# Altium PCB PCB_Template.PcbDoc (part 4 of 6) (continued)
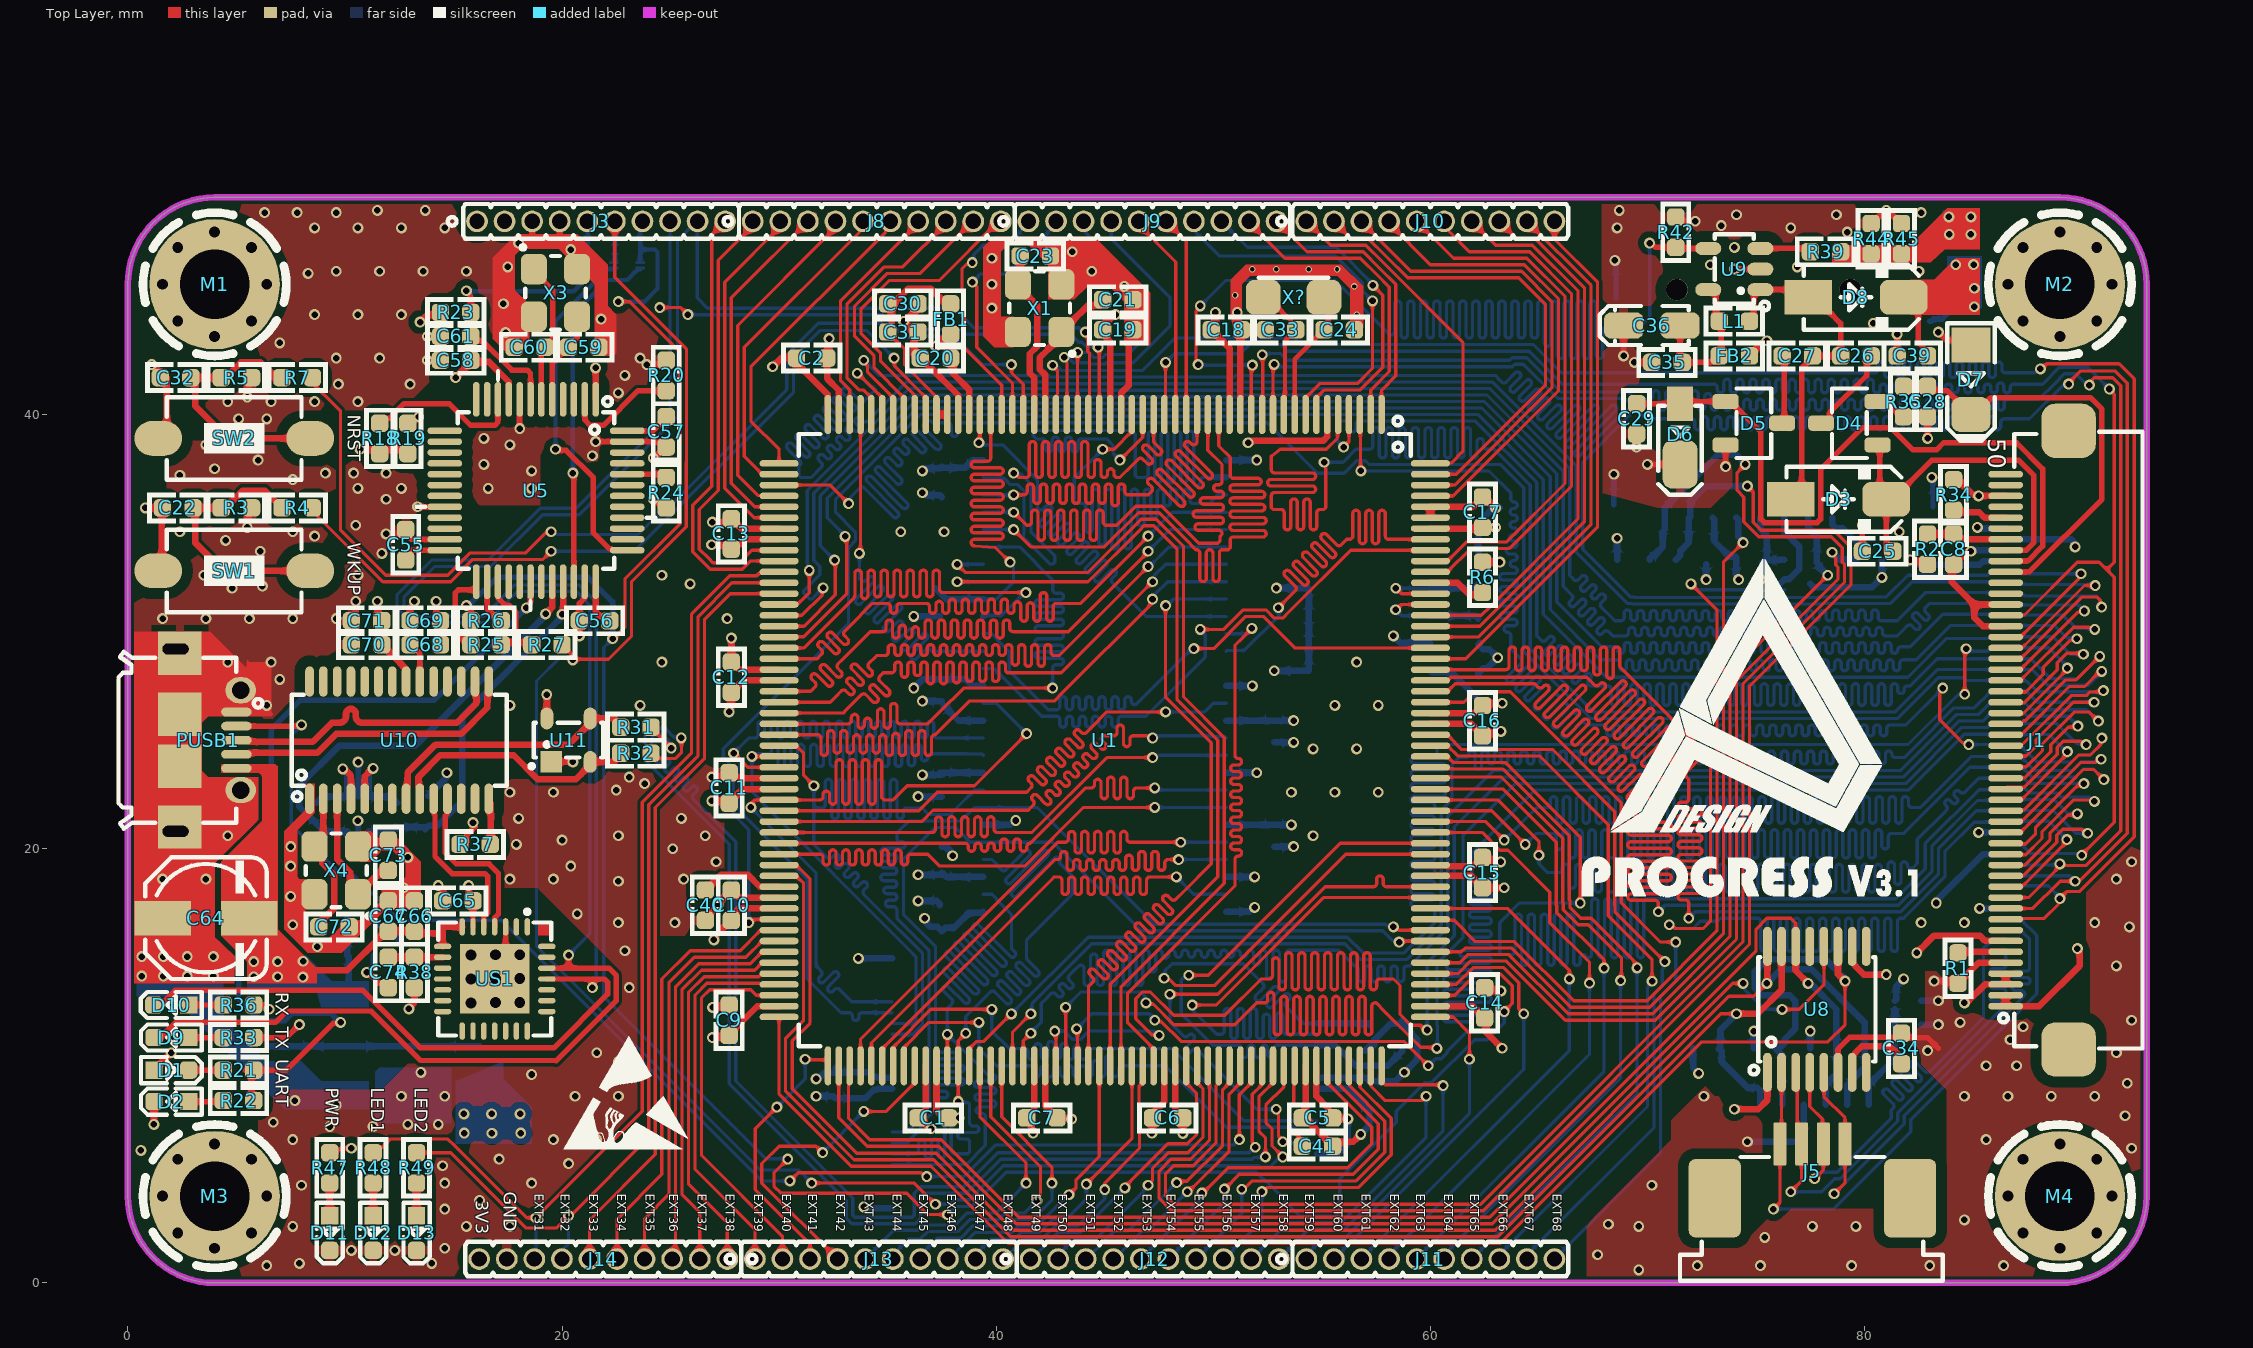
[diagram p0: Top Layer view]
## Nets (pads, with @x,y where several pads share a name; then routed paths per layer and width w, separated by ;. In a path a pad name is that pad's centre, name@x,y a point inside that pad or via, vN(x,y) a via of type N, cw(c..) or ccw(c..) an arc to the next point about the centre after c; other vN are vias at no path point) (continued)
  Top Layer w0.15: v1(33.6,41.9) 33.63,41.9 34.254,41.276 34.75,40.78 U1.47@34.75,40 ; J1.34@87.205,29.2 90.131,32.125 90.616,32.125 v1(90.623,32.118)
  Bottom Layer w0.15: v1(33.6,41.9) 34.222,41.278 34.322,41.278 34.45,41.15 34.205,40.905 33.923,40.623 cw(c33.817,40.729) 33.711,40.623 33.142,41.191 ccw(c33.036,41.085) 32.93,41.191 ccw(c33.036,41.085) 32.93,40.979 33.499,40.411 cw(c33.393,40.305) 33.499,40.199 cw(c33.393,40.305) 33.286,40.199 32.718,40.767 ccw(c32.612,40.661) 32.506,40.767 ccw(c32.612,40.661) 32.506,40.555 33.074,39.986 cw(c32.968,39.88) 33.074,39.774 cw(c32.968,39.88) 32.862,39.774 32.294,40.343 ccw(c32.188,40.237) 32.082,40.343 ccw(c32.188,40.237) 32.082,40.131 32.65,39.562 cw(c32.544,39.456) 32.65,39.35 cw(c32.544,39.456) 32.438,39.35 31.87,39.919 ccw(c31.763,39.812) 31.657,39.919 ccw(c31.763,39.812) 31.657,39.706 32.226,39.138 cw(c32.12,39.032) 32.226,38.926 cw(c32.12,39.032) 32.014,38.926 31.445,39.494 ccw(c31.339,39.388) 31.233,39.494 ccw(c31.339,39.388) 31.233,39.282 31.802,38.714 cw(c31.695,38.608) 31.802,38.502 cw(c31.695,38.608) 31.589,38.502 31.021,39.07 ccw(c30.915,38.964) 30.809,39.07 ccw(c30.915,38.964) 30.809,38.858 31.377,38.289 cw(c31.271,38.183) 31.377,38.077 cw(c31.271,38.183) 31.165,38.077 30.597,38.646 ccw(c30.491,38.54) 30.385,38.646 ccw(c30.491,38.54) 30.385,38.434 30.953,37.865 cw(c30.847,37.759) 30.953,37.653 30.9,37.6 30.9,37.188 30.988,37.1 31.476,37.1 31.95,37.575 ccw(c31.844,37.681) 31.95,37.787 31.835,37.902 cw(c31.941,38.008) 31.835,38.114 cw(c31.941,38.008) 32.047,38.114 32.163,37.999 ccw(c32.269,38.105) 32.375,37.999 ccw(c32.269,38.105) 32.375,38.211 32.259,38.326 cw(c32.365,38.432) 32.259,38.538 cw(c32.365,38.432) 32.471,38.538 32.587,38.423 ccw(c32.693,38.529) 32.799,38.423 ccw(c32.693,38.529) 32.799,38.635 32.684,38.751 cw(c32.79,38.857) 32.684,38.963 cw(c32.79,38.857) 32.896,38.963 33.011,38.847 ccw(c33.117,38.953) 33.223,38.847 ccw(c33.117,38.953) 33.223,39.06 33.108,39.175 cw(c33.214,39.281) 33.108,39.387 cw(c33.214,39.281) 33.32,39.387 33.435,39.272 ccw(c33.541,39.378) 33.647,39.272 ccw(c33.541,39.378) 33.647,39.484 33.532,39.599 cw(c33.638,39.705) 33.532,39.811 cw(c33.638,39.705) 33.744,39.811 33.86,39.696 ccw(c33.966,39.802) 34.072,39.696 34.337,39.961 35.876,41.5 42.273,41.5 42.349,41.423 51.087,41.423 51.163,41.5 62.855,41.5 66.715,37.64 66.715,33.66 69.076,31.3 69.261,31.3 69.286,31.275 78,31.275 78.025,31.3 81.2,31.3 82.2,32.3 J2.6@86.1,32.3 ; J2.6@87.181,32.25 87.191,32.25 87.266,32.175 90.566,32.175 v1(90.623,32.118)
LCD_R2: J1.33 J2.7 U1.66 | length 97.9
  Top Layer w0.15: U1.66@30,31.25 30.029,31.278 30.878,31.278 31.392,31.792 v1(31.392,32.821) ; J1.33@86.557,28.779 87.209,28.779 90.031,31.6 90.7,31.6 90.856,31.444 90.856,31.19 v1(90.915,31.131)
  Bottom Layer w0.15: v1(31.392,32.821) 31.325,32.888 31.325,33.135 31.3,33.16 31.3,36.5 36,41.2 42.148,41.2 42.225,41.123 51.211,41.123 51.288,41.2 62.731,41.2 66.415,37.515 66.415,32.585 66.55,32.45 66.603,32.397 ccw(c66.709,32.503) 66.815,32.397 66.957,32.538 cw(c67.063,32.432) 67.169,32.538 cw(c67.063,32.432) 67.169,32.326 66.956,32.114 ccw(c67.062,32.008) 66.956,31.902 ccw(c67.062,32.008) 67.168,31.902 67.381,32.114 cw(c67.487,32.008) 67.593,32.114 cw(c67.487,32.008) 67.593,31.902 67.452,31.761 ccw(c67.558,31.655) 67.452,31.548 ccw(c67.558,31.655) 67.664,31.548 67.805,31.69 cw(c67.911,31.584) 68.017,31.69 cw(c67.911,31.584) 68.017,31.478 67.876,31.336 ccw(c67.982,31.23) 67.876,31.124 68.35,30.65 68.5,30.5 68.7,30.5 68.775,30.5 ccw(c68.775,30.65) 68.925,30.65 68.925,30.85 cw(c69.075,30.85) 69.225,30.85 69.225,30.65 ccw(c69.375,30.65) 69.525,30.65 69.525,30.825 cw(c69.675,30.825) 69.825,30.825 69.825,30.65 ccw(c69.975,30.65) 70.125,30.65 70.125,30.825 cw(c70.275,30.825) 70.425,30.825 70.425,30.65 ccw(c70.575,30.65) 70.725,30.65 70.725,30.825 cw(c70.875,30.825) 71.025,30.825 71.025,30.65 ccw(c71.175,30.65) 71.325,30.65 71.325,30.825 cw(c71.475,30.825) 71.625,30.825 71.625,30.65 ccw(c71.775,30.65) 71.925,30.65 71.925,30.825 cw(c72.075,30.825) 72.225,30.825 72.225,30.65 ccw(c72.375,30.65) 72.525,30.65 72.525,30.825 cw(c72.675,30.825) 72.825,30.825 72.825,30.65 ccw(c72.975,30.65) 73.125,30.65 73.125,30.825 cw(c73.275,30.825) 73.425,30.825 73.425,30.65 ccw(c73.575,30.65) 73.725,30.65 73.725,30.825 cw(c73.875,30.825) 74.025,30.825 74.025,30.65 ccw(c74.175,30.65) 74.325,30.65 74.325,30.825 cw(c74.475,30.825) 74.625,30.825 74.625,30.65 ccw(c74.775,30.65) 74.925,30.65 74.925,30.825 cw(c75.075,30.825) 75.225,30.825 75.225,30.65 ccw(c75.375,30.65) 75.525,30.65 75.525,30.825 cw(c75.675,30.825) 75.825,30.825 75.825,30.65 ccw(c75.975,30.65) 76.125,30.65 76.125,30.825 cw(c76.275,30.825) 76.425,30.825 76.425,30.65 ccw(c76.575,30.65) 76.725,30.65 76.725,30.825 cw(c76.875,30.825) 77.025,30.825 77.025,30.65 ccw(c77.175,30.65) 77.325,30.65 77.325,30.825 cw(c77.475,30.825) 77.625,30.825 77.625,30.65 ccw(c77.775,30.65) 77.925,30.65 77.925,30.825 cw(c78.075,30.825) 78.225,30.825 78.225,30.65 ccw(c78.375,30.65) 78.525,30.65 78.525,30.85 cw(c78.675,30.85) 78.825,30.85 78.825,30.65 ccw(c78.975,30.65) 79.125,30.65 79.125,30.85 cw(c79.275,30.85) 79.425,30.85 79.425,30.65 ccw(c79.575,30.65) 79.725,30.65 79.725,30.85 cw(c79.875,30.85) 80.025,30.85 80.025,30.65 ccw(c80.175,30.65) 80.325,30.65 80.325,30.85 cw(c80.475,30.85) 80.625,30.85 80.625,30.65 ccw(c80.775,30.65) 80.775,30.5 81.5,30.5 81.6,30.6 82.8,31.8 J2.7@85.8,31.8 ; J2.7@86.529,31.721 87.285,31.721 87.363,31.643 90.657,31.643 90.856,31.444 90.856,31.19 v1(90.915,31.131)
LCD_R3: J1.32 J2.8 U1.67 | length 98.5
  Top Layer w0.15: U1.67@30,30.75 31.05,30.75 31.984,31.684 31.984,31.97 v1(32.027,32.013) ; J1.32@86.5,28.25 87.18,28.25 89.817,30.887 90.061,30.887 v1(90.125,30.95)
  Bottom Layer w0.15: v1(32.027,32.013) 31.519,31.505 31.395,31.505 31.133,31.767 31.133,31.891 31.867,32.624 31.867,33.018 31.6,33.284 31.6,36.376 36.124,40.9 42.024,40.9 42.101,40.823 51.335,40.823 51.412,40.9 62.606,40.9 66.115,37.391 66.115,32.882 66.115,32.085 66.512,31.688 cw(c66.406,31.582) 66.512,31.476 66.436,31.4 ccw(c66.542,31.294) 66.436,31.188 ccw(c66.542,31.294) 66.648,31.188 66.912,31.452 cw(c67.018,31.346) 67.124,31.452 cw(c67.018,31.346) 67.124,31.239 66.861,30.976 ccw(c66.967,30.87) 66.861,30.764 ccw(c66.967,30.87) 67.073,30.764 67.336,31.027 cw(c67.442,30.921) 67.548,31.027 cw(c67.442,30.921) 67.548,30.815 67.285,30.552 ccw(c67.391,30.446) 67.285,30.339 ccw(c67.391,30.446) 67.497,30.339 67.761,30.603 cw(c67.867,30.497) 67.973,30.603 cw(c67.867,30.497) 67.973,30.391 67.709,30.127 ccw(c67.815,30.021) 67.709,29.915 ccw(c67.815,30.021) 67.921,29.915 67.997,29.991 cw(c68.103,29.885) 68.209,29.991 68.4,29.8 68.65,29.8 68.9,29.8 68.975,29.8 ccw(c68.975,29.95) 69.125,29.95 69.125,30.05 cw(c69.275,30.05) 69.425,30.05 69.425,29.95 ccw(c69.575,29.95) 69.725,29.95 69.725,30.05 cw(c69.875,30.05) 70.025,30.05 70.025,29.95 ccw(c70.175,29.95) 70.325,29.95 70.325,30.05 cw(c70.475,30.05) 70.625,30.05 70.625,29.95 ccw(c70.775,29.95) 70.925,29.95 70.925,30.05 cw(c71.075,30.05) 71.225,30.05 71.225,29.95 ccw(c71.375,29.95) 71.525,29.95 71.525,30.05 cw(c71.675,30.05) 71.825,30.05 71.825,29.95 ccw(c71.975,29.95) 72.125,29.95 72.125,30.05 cw(c72.275,30.05) 72.425,30.05 72.425,29.95 ccw(c72.575,29.95) 72.725,29.95 72.725,30.05 cw(c72.875,30.05) 73.025,30.05 73.025,29.95 ccw(c73.175,29.95) 73.325,29.95 73.325,30.05 cw(c73.475,30.05) 73.625,30.05 73.625,29.95 ccw(c73.775,29.95) 73.925,29.95 73.925,30.05 cw(c74.075,30.05) 74.225,30.05 74.225,29.95 ccw(c74.375,29.95) 74.525,29.95 74.525,30.05 cw(c74.675,30.05) 74.825,30.05 74.825,29.95 ccw(c74.975,29.95) 75.125,29.95 75.125,30.05 cw(c75.275,30.05) 75.425,30.05 75.425,29.95 ccw(c75.575,29.95) 75.725,29.95 75.725,30.05 cw(c75.875,30.05) 76.025,30.05 76.025,29.95 ccw(c76.175,29.95) 76.325,29.95 76.325,30.05 cw(c76.475,30.05) 76.625,30.05 76.625,29.95 ccw(c76.775,29.95) 76.925,29.95 76.925,30.05 cw(c77.075,30.05) 77.225,30.05 77.225,29.95 ccw(c77.375,29.95) 77.525,29.95 77.525,30.05 cw(c77.675,30.05) 77.825,30.05 77.825,29.95 ccw(c77.975,29.95) 78.125,29.95 78.125,30.05 cw(c78.275,30.05) 78.425,30.05 78.425,29.95 ccw(c78.575,29.95) 78.725,29.95 78.725,30.05 cw(c78.875,30.05) 79.025,30.05 79.025,29.95 ccw(c79.175,29.95) 79.325,29.95 79.325,30.05 cw(c79.475,30.05) 79.625,30.05 79.625,29.95 ccw(c79.775,29.95) 79.925,29.95 79.925,30.05 cw(c80.075,30.05) 80.225,30.05 80.225,29.95 ccw(c80.375,29.95) 80.525,29.95 80.525,30.05 cw(c80.675,30.05) 80.825,30.05 80.825,29.95 ccw(c80.975,29.95) 80.975,29.8 81.5,29.8 81.7,30 81.965,30.265 cw(c82.071,30.159) 82.177,30.265 82.303,30.139 ccw(c82.409,30.245) 82.515,30.139 ccw(c82.409,30.245) 82.515,30.352 82.252,30.615 cw(c82.358,30.721) 82.252,30.827 cw(c82.358,30.721) 82.464,30.827 82.727,30.564 ccw(c82.833,30.67) 82.939,30.564 ccw(c82.833,30.67) 82.939,30.776 82.814,30.902 cw(c82.92,31.008) 82.814,31.114 82.975,31.275 83,31.3 J2.8@86,31.3 ; J2.8@86.529,31.221 89.854,31.221 v1(90.125,30.95)
LCD_R4: J1.31 J2.9 U1.68 | length 98.7
  Top Layer w0.15: U1.68@30,30.25 31.15,30.25 32.592,31.692 32.592,33.264 v1(32.558,33.298) ; J1.31@86.5,27.75 87.18,27.75 89.626,30.196 90.337,30.196 90.366,30.167 90.533,30.167 v1(90.6,30.1)
  Bottom Layer w0.15: v1(32.558,33.298) 31.9,33.956 31.9,36.251 36.249,40.6 41.9,40.6 41.976,40.523 51.459,40.523 51.536,40.6 62.482,40.6 65.815,37.267 65.815,31.385 67.9,29.3 68.1,29.3 68.475,29.3 cw(c68.475,29.15) 68.625,29.15 ccw(c68.775,29.15) 68.925,29.15 68.925,29.35 cw(c69.075,29.35) 69.225,29.35 69.225,29.15 ccw(c69.375,29.15) 69.525,29.15 69.525,29.35 cw(c69.675,29.35) 69.825,29.35 69.825,29.15 ccw(c69.975,29.15) 70.125,29.15 70.125,29.35 cw(c70.275,29.35) 70.425,29.35 70.425,29.15 ccw(c70.575,29.15) 70.725,29.15 70.725,29.35 cw(c70.875,29.35) 71.025,29.35 71.025,29.15 ccw(c71.175,29.15) 71.325,29.15 71.325,29.35 cw(c71.475,29.35) 71.625,29.35 71.625,29.15 ccw(c71.775,29.15) 71.925,29.15 71.925,29.35 cw(c72.075,29.35) 72.225,29.35 72.225,29.15 ccw(c72.375,29.15) 72.525,29.15 72.525,29.35 cw(c72.675,29.35) 72.825,29.35 72.825,29.15 ccw(c72.975,29.15) 73.125,29.15 73.125,29.35 cw(c73.275,29.35) 73.425,29.35 73.425,29.15 ccw(c73.575,29.15) 73.725,29.15 73.725,29.35 cw(c73.875,29.35) 74.025,29.35 74.025,29.15 ccw(c74.175,29.15) 74.325,29.15 74.325,29.35 cw(c74.475,29.35) 74.625,29.35 74.625,29.15 ccw(c74.775,29.15) 74.925,29.15 74.925,29.35 cw(c75.075,29.35) 75.225,29.35 75.225,29.15 ccw(c75.375,29.15) 75.525,29.15 75.525,29.35 cw(c75.675,29.35) 75.825,29.35 75.825,29.15 ccw(c75.975,29.15) 76.125,29.15 76.125,29.35 cw(c76.275,29.35) 76.425,29.35 76.425,29.15 ccw(c76.575,29.15) 76.725,29.15 76.725,29.35 cw(c76.875,29.35) 77.025,29.35 77.025,29.15 ccw(c77.175,29.15) 77.325,29.15 77.325,29.35 cw(c77.475,29.35) 77.625,29.35 77.625,29.15 ccw(c77.775,29.15) 77.925,29.15 77.925,29.35 cw(c78.075,29.35) 78.225,29.35 78.225,29.15 ccw(c78.375,29.15) 78.525,29.15 78.525,29.35 cw(c78.675,29.35) 78.825,29.35 78.825,29.15 ccw(c78.975,29.15) 79.125,29.15 79.125,29.35 cw(c79.275,29.35) 79.425,29.35 79.425,29.15 ccw(c79.575,29.15) 79.725,29.15 79.725,29.35 cw(c79.875,29.35) 80.025,29.35 80.025,29.15 ccw(c80.175,29.15) 80.325,29.15 80.325,29.35 cw(c80.475,29.35) 80.625,29.35 80.625,29.15 ccw(c80.775,29.15) 80.925,29.15 80.925,29.35 cw(c81.075,29.35) 81.225,29.35 81.225,29.15 ccw(c81.375,29.15) 81.525,29.15 cw(c81.675,29.15) 81.675,29.3 82.1,29.3 82.495,29.695 83.6,30.8 J2.9@86,30.8 ; J2.9@86,30.763 87.178,30.763 89.137,30.763 89.754,30.146 90.554,30.146 v1(90.6,30.1)
LCD_R5: J1.30 J2.10 U1.69 | length 98.2
  Top Layer w0.15: U1.69@30,29.75 30.018,29.768 31.134,29.768 33.115,31.749 33.115,34.218 33.043,34.291 v1(33.043,34.386) ; J1.30@86.5,27.25 86.529,27.221 87.285,27.221 87.289,27.217 87.413,27.217 88.228,28.032 88.228,28.349 89.483,29.604 89.712,29.604 v1(89.779,29.671)
  Bottom Layer w0.15: v1(33.043,34.386) 33.043,34.419 32.215,35.247 32.215,36.142 36.373,40.3 41.776,40.3 41.852,40.223 51.584,40.223 51.66,40.3 62.358,40.3 65.515,37.142 65.515,31.018 67.833,28.7 68.2,28.7 68.575,28.7 cw(c68.575,28.55) 68.725,28.55 68.725,28.35 ccw(c68.875,28.35) 69.025,28.35 69.025,28.551 cw(c69.175,28.551) 69.325,28.551 69.325,28.35 ccw(c69.475,28.35) 69.625,28.35 69.625,28.551 cw(c69.775,28.551) 69.925,28.551 69.925,28.35 ccw(c70.075,28.35) 70.225,28.35 70.225,28.551 cw(c70.375,28.551) 70.525,28.551 70.525,28.35 ccw(c70.675,28.35) 70.825,28.35 70.825,28.551 cw(c70.975,28.551) 71.125,28.551 71.125,28.35 ccw(c71.275,28.35) 71.425,28.35 71.425,28.551 cw(c71.575,28.551) 71.725,28.551 71.725,28.35 ccw(c71.875,28.35) 72.025,28.35 72.025,28.551 cw(c72.175,28.551) 72.325,28.551 72.325,28.35 ccw(c72.475,28.35) 72.625,28.35 72.625,28.551 cw(c72.775,28.551) 72.925,28.551 72.925,28.35 ccw(c73.075,28.35) 73.225,28.35 73.225,28.551 cw(c73.375,28.551) 73.525,28.551 73.525,28.35 ccw(c73.675,28.35) 73.825,28.35 73.825,28.551 cw(c73.975,28.551) 74.125,28.551 74.125,28.35 ccw(c74.275,28.35) 74.425,28.35 74.425,28.551 cw(c74.575,28.551) 74.725,28.551 74.725,28.35 ccw(c74.875,28.35) 75.025,28.35 75.025,28.551 cw(c75.175,28.551) 75.325,28.551 75.325,28.35 ccw(c75.475,28.35) 75.625,28.35 75.625,28.551 cw(c75.775,28.551) 75.925,28.551 75.925,28.35 ccw(c76.075,28.35) 76.225,28.35 76.225,28.551 cw(c76.375,28.551) 76.525,28.551 76.525,28.35 ccw(c76.675,28.35) 76.825,28.35 76.825,28.551 cw(c76.975,28.551) 77.125,28.551 77.125,28.35 ccw(c77.275,28.35) 77.425,28.35 77.425,28.551 cw(c77.575,28.551) 77.725,28.551 77.725,28.35 ccw(c77.875,28.35) 78.025,28.35 78.025,28.551 cw(c78.175,28.551) 78.325,28.551 78.325,28.35 ccw(c78.475,28.35) 78.625,28.35 78.625,28.551 cw(c78.775,28.551) 78.925,28.551 78.925,28.35 ccw(c79.075,28.35) 79.225,28.35 79.225,28.551 cw(c79.375,28.551) 79.525,28.551 79.525,28.35 ccw(c79.675,28.35) 79.825,28.35 79.825,28.551 cw(c79.975,28.551) 80.125,28.551 80.125,28.35 ccw(c80.275,28.35) 80.425,28.35 80.425,28.551 cw(c80.575,28.551) 80.725,28.551 80.725,28.35 ccw(c80.875,28.35) 81.025,28.35 81.025,28.551 cw(c81.175,28.551) 81.325,28.551 81.325,28.35 ccw(c81.475,28.35) 81.625,28.35 81.625,28.55 cw(c81.775,28.55) 81.775,28.7 82.3,28.7 82.373,28.7 83.954,30.281 85.713,30.281 85.715,30.279 86.471,30.279 J2.10@86.5,30.25 86.529,30.279 87.285,30.279 87.287,30.281 88.753,30.281 89.329,29.704 89.745,29.704 v1(89.779,29.671)
LCD_R6: J1.29 J2.11 U1.95 | length 98.3
  Top Layer w0.15: v1(28.6,16.6) 28.75,16.75 U1.95@30,16.75 ; J1.29@86.554,26.729 87.352,26.729 88.871,28.248 88.871,28.568 89.31,29.007 90.034,29.007 v1(90.082,28.959)
  Bottom Layer w0.15: v1(28.6,16.6) 28.6,17.2 28.6,17.275 ccw(c28.45,17.275) 28.45,17.425 cw(c28.45,17.575) 28.45,17.725 ccw(c28.45,17.875) 28.6,17.875 28.6,18.406 28.6,20.876 27.9,21.576 27.9,23.728 27.425,24.203 27.425,24.606 33.2,30.381 33.2,33.872 33.518,34.189 33.518,34.583 32.6,35.5 32.6,36.1 36.5,40 41.651,40 41.728,39.923 51.926,39.923 52.002,40 62.2,40 65.2,37 65.2,30.8 68.1,27.9 82,27.9 83.786,29.686 84.684,29.686 85.687,29.686 85.722,29.721 86.471,29.721 J2.11@86.5,29.75 ; J2.11@86.5,29.763 88.68,29.763 89.483,28.959 v1(90.082,28.959)
LCD_R7: J1.28 J2.12 U1.118 | length 95.9
  Top Layer w0.15: U1.118@38.75,10 38.75,10.78 39.095,11.125 39.425,11.125 40.692,12.392 v1(40.702,12.392) ; v1(84.617,27.117) 84.617,29.155 v1(84.673,29.211) ; J1.28@86.525,26.2 87.275,26.2 89.346,28.271 v1(89.346,28.321)
  Bottom Layer w0.15: v1(40.702,12.392) 44.235,15.925 56.175,15.925 56.9,15.2 58.8,15.2 60.2,16.6 60.2,17.1 60.2,17.175 ccw(c60.05,17.175) 60.05,17.325 59.253,17.325 cw(c59.253,17.475) 59.253,17.625 60.05,17.625 ccw(c60.05,17.775) 60.05,17.925 59.253,17.925 cw(c59.253,18.075) 59.253,18.225 60.05,18.225 ccw(c60.05,18.375) 60.05,18.525 59.253,18.525 cw(c59.253,18.675) 59.253,18.825 60.05,18.825 ccw(c60.05,18.975) 60.05,19.125 59.253,19.125 cw(c59.253,19.275) 59.253,19.425 60.05,19.425 ccw(c60.05,19.575) 60.05,19.725 59.253,19.725 cw(c59.253,19.875) 59.253,20.025 60.05,20.025 ccw(c60.05,20.175) 60.05,20.325 59.253,20.325 cw(c59.253,20.475) 59.253,20.625 60.05,20.625 ccw(c60.05,20.775) 60.05,20.925 59.253,20.925 cw(c59.253,21.075) 59.253,21.225 60.05,21.225 ccw(c60.05,21.375) 60.05,21.525 59.253,21.525 cw(c59.253,21.675) 59.253,21.825 60.054,21.825 ccw(c60.054,21.975) 60.054,22.125 59.253,22.125 cw(c59.253,22.275) 59.253,22.425 60.55,22.425 ccw(c60.55,22.575) 60.55,22.725 59.253,22.725 cw(c59.253,22.875) 59.253,23.025 60.55,23.025 ccw(c60.55,23.175) 60.55,23.325 59.253,23.325 cw(c59.253,23.475) 59.253,23.625 60.55,23.625 ccw(c60.55,23.775) 60.55,23.925 59.253,23.925 cw(c59.253,24.075) 59.253,24.225 60.15,24.225 ccw(c60.15,24.375) 60.3,24.375 60.3,24.712 60.376,24.788 60.388,24.8 82,24.8 84.281,27.081 84.581,27.081 v1(84.617,27.117) ; v1(84.673,29.211) 84.768,29.211 84.879,29.1 85.659,29.1 85.809,29.25 J2.12@86.5,29.25 ; J2.12@86.5,29.263 88.48,29.263 v1@89.309,28.434
LCD_RESET: C8.2 J1.44 R2.1 | length 3.7
  Top Layer w0.3: R2.1@83,34.3 R2.1@83,34.354 ; R2.1@83.1,34.354 83.246,34.5 C8.2@84.1,34.5 ; C8.2@84.1,34.7 84.2,34.6 84.55,34.25 84.772,34.25 ; 84.772,34.25 85.228,34.25 ; 85.228,34.25 J1.44@86.5,34.25
LCD_VDD: C25.1 D3.2 D4.1 J1.43 | length 17.4
  Top Layer w0.25: D4.1@80.7,38.6 80.7,36.396 D3.2@81,36.096 81.296,36.096 83.1,37.9 87.101,37.9 87.8,37.201 87.8,34.1 87.45,33.75 J1.43@86.5,33.75 ; C25.1@81,33.7 D3.2@81,36.096
LCD_VGH: C28.1 D7.2 J1.41 R35.2 | length 20
  Top Layer w0.25: R35.2@81.9,41.3 C28.1@83.1,41.3 ; C28.1@83.1,41.1 83.8,41.1 D7.2@84.9,40 85.047,40 85.821,40.775 90.398,40.775 90.925,40.248 90.925,36.094 87.581,32.75 J1.41@86.5,32.75
LCD_VGL: C29.1 D5.1 D6.1 J1.42 | length 33.2
  Top Layer w0.25: C29.1@69.5,40.3 69.514,40.3 69.714,40.5 71.7,40.5 71.8,40.6 73.823,40.6 74.075,40.348 74.075,40.343 75.225,39.193 75.225,37.188 75.225,35.182 75.386,35.021 77.814,35.021 77.975,35.182 77.975,37.475 79.9,39.4 81.2,39.4 82.225,38.375 83.317,38.375 83.642,38.7 87,38.7 88.2,37.5 88.2,33.934 87.525,33.259 86.51,33.259 J1.42@86.5,33.25
LCD_VS: J1.10 J2.33 U1.11 | length 97.3
  Top Layer w0.15: U1.11@52.75,40 52.75,42.258 v1(52.804,42.312) ; J1.10@86.5,17.25 87.75,17.25 88.911,18.411 88.917,18.411 89.005,18.5 v1(89.7,18.5) 89.767,18.567 89.963,18.567 92.1,20.704 92.1,41.449 91.549,42 89.938,42 89.4,41.462 v1(89.4,41.4)
  Bottom Layer w0.15: v1(52.804,42.312) 52.899,42.312 53.011,42.2 63.771,42.2 63.892,42.321 64.279,42.321 65.862,40.738 68.984,40.738 69.922,39.8 71.649,39.8 72.024,39.8 cw(c72.024,39.65) 72.174,39.65 72.174,39.45 ccw(c72.324,39.45) 72.474,39.45 72.474,39.75 cw(c72.624,39.75) 72.774,39.75 72.774,39.45 ccw(c72.924,39.45) 73.074,39.45 73.074,39.75 cw(c73.224,39.75) 73.374,39.75 73.374,39.45 ccw(c73.524,39.45) 73.674,39.45 73.674,39.75 cw(c73.824,39.75) 73.974,39.75 73.974,39.45 ccw(c74.124,39.45) 74.274,39.45 74.274,39.75 cw(c74.424,39.75) 74.574,39.75 74.574,39.45 ccw(c74.724,39.45) 74.874,39.45 74.874,39.75 cw(c75.024,39.75) 75.174,39.75 75.174,39.45 ccw(c75.324,39.45) 75.474,39.45 75.474,39.75 cw(c75.624,39.75) 75.774,39.75 75.774,39.45 ccw(c75.924,39.45) 76.074,39.45 76.074,39.75 cw(c76.224,39.75) 76.374,39.75 76.374,39.45 ccw(c76.524,39.45) 76.674,39.45 76.674,39.75 cw(c76.824,39.75) 76.974,39.75 76.974,39.45 ccw(c77.124,39.45) 77.274,39.45 77.274,39.75 cw(c77.424,39.75) 77.574,39.75 77.574,39.45 ccw(c77.724,39.45) 77.874,39.45 77.874,39.75 cw(c78.024,39.75) 78.174,39.75 78.174,39.45 ccw(c78.324,39.45) 78.474,39.45 78.474,39.75 cw(c78.624,39.75) 78.774,39.75 78.774,39.45 ccw(c78.924,39.45) 79.074,39.45 79.074,39.75 cw(c79.224,39.75) 79.374,39.75 79.374,39.45 ccw(c79.524,39.45) 79.674,39.45 79.674,39.75 cw(c79.824,39.75) 79.974,39.75 79.974,39.45 ccw(c80.124,39.45) 80.274,39.45 80.274,39.75 cw(c80.424,39.75) 80.574,39.75 80.574,39.45 ccw(c80.724,39.45) 80.874,39.45 80.874,39.75 cw(c81.024,39.75) 81.174,39.75 81.174,39.45 ccw(c81.324,39.45) 81.474,39.45 81.474,39.75 cw(c81.624,39.75) 81.774,39.75 81.774,39.45 ccw(c81.924,39.45) 82.074,39.45 82.074,39.75 cw(c82.224,39.75) 82.374,39.75 82.374,39.45 ccw(c82.524,39.45) 82.674,39.45 82.674,39.75 cw(c82.824,39.75) 82.974,39.75 82.974,39.525 ccw(c83.124,39.525) 83.274,39.525 83.274,39.75 cw(c83.424,39.75) 83.574,39.75 83.574,39.45 ccw(c83.724,39.45) 83.874,39.45 83.874,39.75 cw(c84.024,39.75) 84.174,39.75 84.174,39.45 ccw(c84.324,39.45) 84.474,39.45 84.474,39.75 cw(c84.624,39.75) 84.774,39.75 84.774,39.45 ccw(c84.924,39.45) 85.074,39.45 85.074,39.75 cw(c85.224,39.75) 85.374,39.75 85.374,39.45 ccw(c85.524,39.45) 85.674,39.45 85.674,39.75 cw(c85.824,39.75) 85.974,39.75 85.974,39.45 ccw(c86.124,39.45) 86.274,39.45 86.274,39.65 cw(c86.424,39.65) 86.424,39.8 86.8,39.8 87.596,39.8 89.129,41.333 89.333,41.333 v1(89.4,41.4) ; J2.33@86.5,18.75 89.437,18.75 89.687,18.5 v1(89.7,18.5)
LCD_XL: J2.39 J5.3 U8.4 | length 27
  Top Layer w0.15: U8.4@77.475,9.7 77.475,8.125 78.063,7.537 78.063,6.437 J5.3@78.1,6.4 78.1,5.2 v1(77.7,4.8)
  Bottom Layer w0.15: v1(77.7,4.8) 77.7,4.853 77.947,5.1 78.742,5.1 81.225,7.583 81.225,7.953 81.256,7.985 81.309,8.038 ccw(c81.203,8.144) 81.309,8.25 80.879,8.68 cw(c80.986,8.786) 80.879,8.892 cw(c80.986,8.786) 81.092,8.892 81.522,8.462 ccw(c81.628,8.568) 81.734,8.462 ccw(c81.628,8.568) 81.734,8.674 81.304,9.104 cw(c81.41,9.21) 81.304,9.316 cw(c81.41,9.21) 81.516,9.316 81.946,8.886 ccw(c82.052,8.992) 82.158,8.886 ccw(c82.052,8.992) 82.158,9.098 81.728,9.528 cw(c81.834,9.634) 81.728,9.74 cw(c81.834,9.634) 81.94,9.74 82.37,9.31 ccw(c82.476,9.417) 82.582,9.31 ccw(c82.476,9.417) 82.582,9.523 82.152,9.952 cw(c82.258,10.059) 82.152,10.165 cw(c82.258,10.059) 82.364,10.165 82.794,9.735 ccw(c82.9,9.841) 83.006,9.735 83.186,9.914 85.475,12.203 85.475,15.405 85.82,15.75 J2.39@86.5,15.75
LCD_XR: J2.37 J5.1 U8.2 | length 27.4
  Top Layer w0.15: v1(75.8,3.4) 76.1,3.7 J5.1@76.1,6.4 76.175,6.475 U8.2@76.175,9.7
  Bottom Layer w0.15: v1(75.8,3.4) 78.563,3.4 82.125,6.962 82.125,7.525 87.925,13.325 87.925,16.005 87.18,16.75 J2.37@86.5,16.75
LCD_YD: J2.38 J5.4 U8.5 | length 25.3
  Top Layer w0.15: U8.5@78.125,9.7 78.125,8.575 79.1,7.6 J5.4@79.1,6.4 79.1,4.609 v1(78.595,4.105)
  Bottom Layer w0.15: v1(78.595,4.105) 81.825,7.334 81.825,7.705 87.21,13.09 87.329,13.209 ccw(c87.223,13.315) 87.223,13.465 86.95,13.465 cw(c86.95,13.615) 86.95,13.765 87.475,13.765 ccw(c87.475,13.915) 87.475,14.065 86.95,14.065 cw(c86.95,14.215) 86.95,14.365 87.45,14.365 ccw(c87.45,14.515) 87.6,14.515 87.6,15.768 87.6,15.83 87.18,16.25 J2.38@86.5,16.25
LCD_YU: J2.40 J5.2 U8.3 | length 25.5
  Top Layer w0.15: v1(76.6,4.2) 77.1,4.7 J5.2@77.1,6.4 76.9,6.6 76.9,8.857 76.825,8.932 U8.3@76.825,9.7
  Bottom Layer w0.15: v1(76.6,4.2) 78.019,4.2 78.619,4.8 78.867,4.8 81.525,7.458 81.525,7.829 86.296,12.6 86.5,12.804 86.5,12.825 ccw(c86.35,12.825) 86.35,12.975 85.925,12.975 cw(c85.925,13.125) 85.925,13.275 86.35,13.275 ccw(c86.35,13.425) 86.35,13.575 85.925,13.575 cw(c85.925,13.725) 85.925,13.875 86.35,13.875 ccw(c86.35,14.025) 86.35,14.175 85.925,14.175 cw(c85.925,14.325) 85.925,14.475 86.35,14.475 ccw(c86.35,14.625) 86.5,14.625 86.5,15.041 J2.40@86.5,15.25
NetC21_2: C21.2 U1.32 X1.1 | length 6.6
  Top Layer w0.3: U1.32@42.25,40 42.25,41.841 42,42.091 42,42.615 42.35,42.965 42.35,42.969 43,43.619 X1.1@43,43.8 ; X1.1@43,43.819 43.439,44.257 43.457,44.257 44.2,45 C21.2@44.8,45
NetC22_2: C22.2 R3.1 R4.1 SW1.1 | length 11.9
  Top Layer w0.3: C22.2@3,35.7 3.1,35.6 3.1,34.1 4.4,32.8 SW1.1@8.4,32.8 ; C22.2@3.3,35.7 R3.1@4.3,35.7 4.5,35.7 5.3,36.5 6.3,36.5 6.7,36.1 R4.1@7.1,35.7
NetC23_2: C23.2 U1.33 X1.3 | length 7.9
  Top Layer w0.3: C23.2@41.1,47.3 41.1,46.1 X1.3@41,46 41,45.9 41.9,45 41.9,43.151 41.55,42.801 41.55,41.904 41.75,41.704 U1.33@41.75,40
NetC24_2: C24.2 U1.9 X?.2 | length 6
  Top Layer w0.2: U1.9@53.75,40 53.75,42.55 C24.2@55.1,43.9 55.3,44.1 X?.2@55.3,45.4
NetC26_1: C26.1 C27.2 D3.1 D8.1 L1.2 U9.1 | length 15.7
  Top Layer w0.25: L1.2@74.7,44.3 74.9,44.5 74.9,45.588 75.062,45.75 77.35,45.75 77.4,45.7 77.69,45.7 78.365,45.025 78.365,44.735 78.9,44.2 C26.1@78.9,42.7 ; D3.1@76.6,36.096 77.1,36.597 77.1,42.131 77.371,42.402 77.371,42.431 77.641,42.7 C26.1@78.6,42.7
NetC26_2: C26.2 D4.3 | length 3.9
  Top Layer w0.25: D4.3@78.318,39.6 78.391,39.673 78.391,40.087 80.1,41.796 C26.2@80.1,42.737
NetC27_1: C27.1 D5.3 | length 3.2
  Top Layer w0.25: C27.1@76.3,42.7 76.3,39.8 D5.3@76.5,39.6
NetC30_1: C30.1 C31.1 FB1.1 U1.41 U1.42 | length 10.1
  Top Layer w0.15: C31.1@35,43.8 35.186,43.614 35.775,43.025 35.775,42.295 37.175,40.895 37.175,40.866 37.25,40.791 U1.42@37.25,40
  Top Layer w0.3: C31.1@35.186,43.614 35.186,45.059 35.277,45.15 35.301,45.15 35.951,45.8 36.974,45.8 FB1.1@37.924,44.85 ; U1.42@37.25,40 U1.41@37.75,40
NetC32_2: C32.2 R5.1 R7.1 SW2.1 | length 12.1
  Top Layer w0.3: R7.1@7.3,41.7 R7.1@7.1,41.7 6.807,41.7 6.107,42.4 5.2,42.4 4.719,41.919 4.546,41.919 4.5,41.873 4.5,41.7 R5.1@4.3,41.7 3.1,41.7 3.1,40.4 4.6,38.9 SW2.1@8.4,38.9
NetC33_2: C33.2 U1.10 X?.1 | length 6.2
  Top Layer w0.2: X?.1@52.5,45.4 53.562,44.338 53.562,44.138 C33.2@53.8,43.9 53.304,43.404 53.304,42.105 53.3,42.101 53.3,40.827 53.25,40.777 U1.10@53.25,40
NetC34_1: C34.1 U8.7 | length 3.5
  Top Layer w0.3: U8.7@79.425,9.7 79.425,10.427 79.575,10.577 79.575,10.607 79.868,10.9 81.164,10.9 81.364,10.7 81.374,10.7 81.55,10.524 81.55,10.45 C34.1@81.7,10.3
NetC35_2: C35.2 C36.2 FB2.2 L1.1 U9.5 | length 7.2
  Top Layer w0.25: C36.2@71.5,44.1 71.5,42.5 71.4,42.4 71.5,42.4 73.286,42.4 FB2.2@73.586,42.7 ; U9.5@72.8,45.75 72.988,45.75 73.15,45.588 73.15,44.45 L1.1@73.3,44.3 ; FB2.2@73.3,42.7 73.4,42.8 73.4,43.9 L1.1@73.3,44
NetC40_1: C40.1 U1.92 | length 3.9
  Top Layer w0.3: C40.1@26.6,18.073 26.877,18.35 27.327,18.8 28.563,18.8 29.114,18.25 U1.92@30,18.25
NetC41_1: C41.1 U1.148 | length 3.8
  Top Layer w0.15: U1.148@53.75,10 53.721,9.971 53.721,9.115 53.7,9.094 53.7,8.301 53.475,8.076 53.475,7.187 54.03,6.632 C41.1@54.132,6.632
NetC54_1: C54.1 U4.8 | length 2.6
  Bottom Layer w0.3: U4.8@60,28.195 60.057,28.138 60.956,28.138 62.062,27.031 C54.1@62.069,27.031
NetC55_2: C55.2 U5.24 | length 1.9
  Top Layer w0.25: C55.2@12.8,33.5 12.814,33.5 13.064,33.75 U5.24@14.6,33.75
NetC56_2: C56.2 U5.36 | length 2.2
  Top Layer w0.3: U5.36@21.55,32.3 21.55,30.921 21.752,30.719 21.981,30.719 C56.2@22.2,30.5
NetC57_2: C57.2 U5.48 | length 1.9
  Top Layer w0.25: U5.48@23,39.25 24.191,39.25 C57.2@24.676,39.735
NetC59_2: C59.2 U5.5 X3.3 | length 4.3
  Top Layer w0.25: U5.5@19.55,40.7 19.55,42.35 C59.2@20.3,43.1 20.3,43.116 20.7,43.516 X3.3@20.7,44.5
NetC60_2: C60.2 U5.6 X3.1 | length 6.5
  Top Layer w0.25: X3.1@18.7,46.6 19.575,45.725 19.575,43.516 19.2,43.141 C60.2@19.2,43.1 19.05,42.95 U5.6@19.05,40.7
NetC72_2: C72.2 U10.2 X4.3 | length 6.8
  Top Layer w0.3: C72.2@8.623,16.253 C72.2@8.773,16.403 ; C72.2@8.85,16.55 8.85,16.601 9.5,17.251 9.5,18.8 8.957,19.343 8.957,19.743 X4.3@8.6,20.1 8.6,20.281 9.008,20.689 U10.2@9.008,22.3
NetC73_2: C73.2 U10.3 X4.1 | length 6.7
  Top Layer w0.3: U10.3@9.643,22.3 9.643,19.509 10.243,18.909 10.243,18.257 X4.1@10.6,17.9 ; X4.1@10.6,17.919 11.039,18.357 11.057,18.357 C73.2@11.75,19.05 ; C73.2@11.85,18.85 11.95,18.85 C73.2@12.1,19
NetC74_1: C74.1 R38.1 US1.9 | length 2.4
  Top Layer w0.3: C74.1@12.1,15 R38.1@13.2,15 US1.9@14.5,15
NetD1_2: D1.2 R21.1 | length 1.6
  Top Layer w0.25: D1.2@2.904,9.8 R21.1@4.5,9.8
NetD2_1: D2.1 R22.1 | length 1.6
  Top Layer w0.25: D2.1@2.804,8.404 D2.1@2.854,8.354 ; D2.1@2.954,8.354 4.454,8.354 R22.1@4.5,8.4
NetD4_2: D4.2 R35.1 | length 1.5
  Top Layer w0.25: D4.2@80.7,40.6 80.894,40.406 81.194,40.406 81.471,40.129 81.671,40.129 R35.1@81.9,39.9
NetD9_1: D9.1 R33.1 | length 1.7
  Top Layer w0.25: D9.1@2.804,11.3 R33.1@4.5,11.3
NetD10_1: D10.1 R36.1 | length 1.8
  Top Layer w0.25: D10.1@2.8,12.8 R36.1@4.4,12.8 R36.1@4.6,12.8
NetD11_1: D11.1 R47.1 | length 1.6
  Top Layer w0.3: D11.1@9.3,3.1 R47.1@9.3,4.7
NetD12_1: D12.1 R48.1 | length 1.6
  Top Layer w0.3: D12.1@11.3,3.1 R48.1@11.3,4.7
NetD13_1: D13.1 R49.1 | length 1.6
  Top Layer w0.3: D13.1@13.3,3.1 R49.1@13.3,4.7